# Altium PCB Stabiliser.PCBDOC (part 8 of 8)
Units mm, origin at the board's own origin, x right, y up, seen from the top; angles counter-clockwise.
Board outline 162.48 x 100 mm, 4 copper layers (Top, GP1(GND), L3, Bot), stack 1.648 mm thick; 687 components, 419 nets, 2139 pads, 1048 vias.
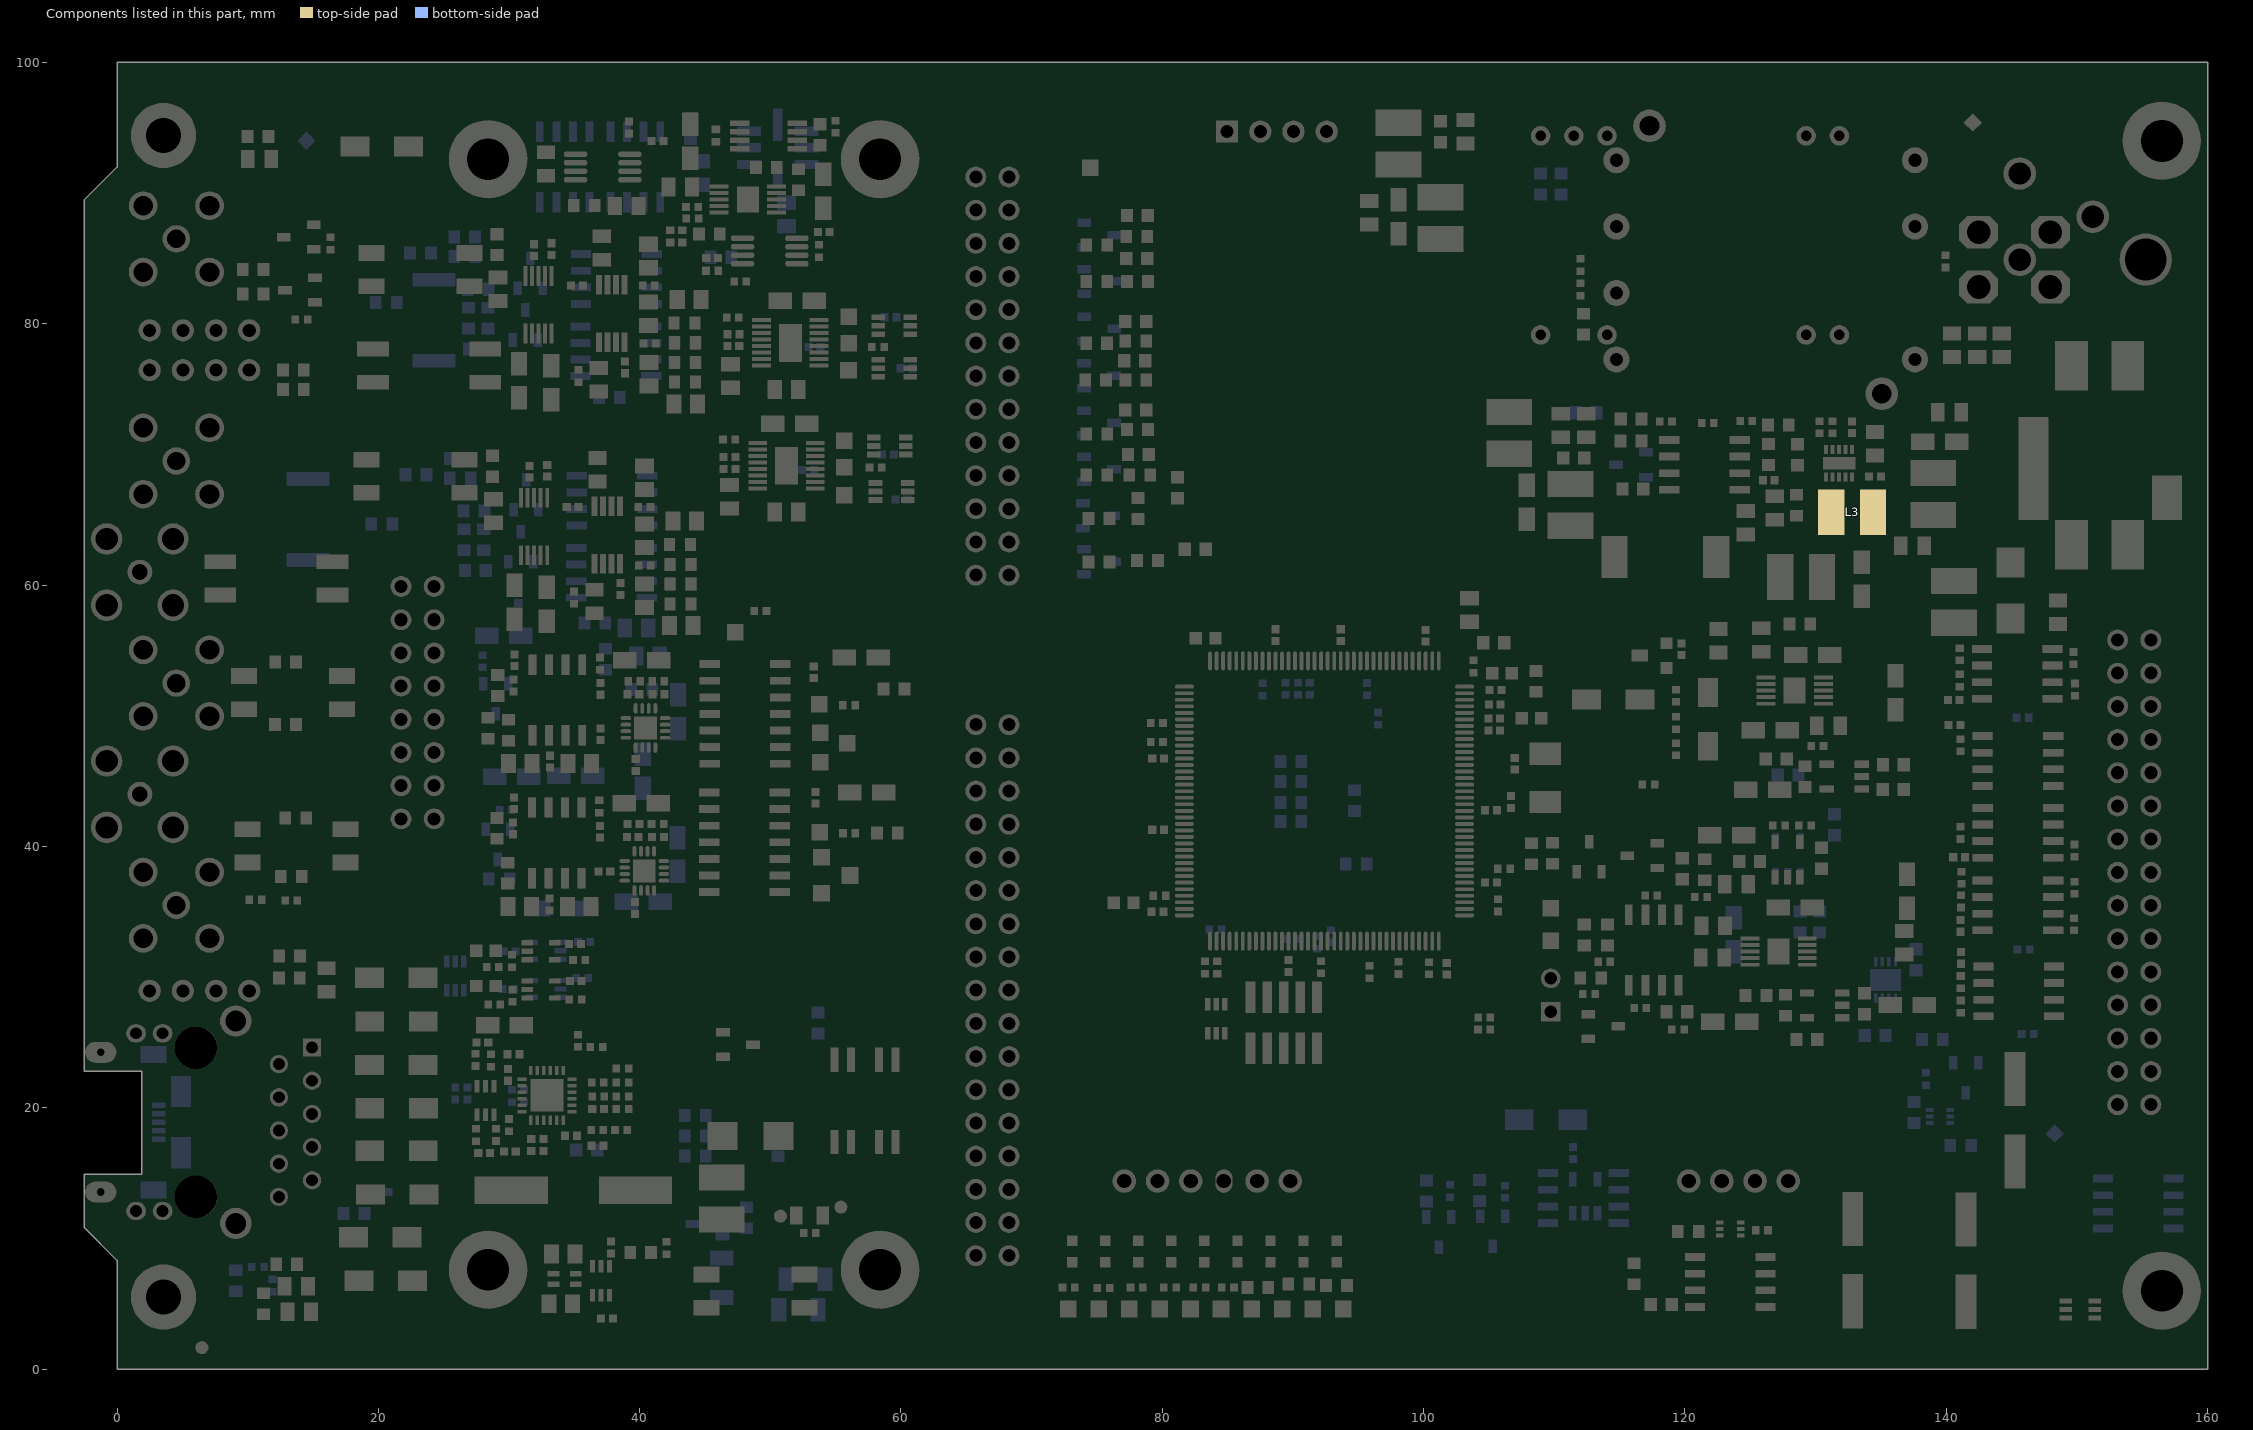
[diagram p10: the components of this part, seen from the top]

## Other copper
Top:
  rectangle net N13V0: 133.436,29.144 135.857,30.277
  rectangle net P5V0A: 121.895,32.288 122.576,32.948
  rectangle net P12V0F: 145.144,83.016 145.466,84.06
  rectangle net P12V0F: 145.051,85.512 145.466,86.943
  rectangle net P12V0F: 143.873,84.9 145.466,85.512
  rectangle net P6V0: 132.8,67.678 133.269,68.278
  rectangle net GND: 60.847,66.96 61.289,67.383
  rectangle net GND: 143.341,55.996 146.559,58.917
  rectangle net P12V0: 143.54,60.112 146.371,63.192
  rectangle net LVDS5_P: 149.233,34.214 149.732,34.72
  rectangle net LVDS0_P: 148.692,53.63 149.123,54.158
  rectangle net LVDS0_P: 149.123,53.785 149.657,54.158
  rectangle net LVDS0_N: 148.768,54.683 149.606,55.123
  rectangle net LVDS4_P: 148.658,36.12 149.631,36.576
  rectangle net LVDS4_N: 148.717,37.16 149.708,37.561
  rectangle net GND: 41.91,75.236 42.668,75.534
  rectangle net P3V3A: 128.245,38.532 129.642,39.294
  rectangle net GND: 131.8,69.128 135.255,69.621
  region net NetC10_1: 10.156,92.009 10.156,94.412 9.652,94.412 9.652,92.009
  rectangle net NetC10_1: 5.496,94.121 9.995,94.625
  rectangle net NetC11_1: 4.35,5.259 8.525,5.9
  rectangle net GND: 123.992,38.646 124.542,39.071
  region net P6V0: 132.95,67.828 132.95,67.964 132.657,67.964 132.657,67.828
  region net P6V0: 131.95,67.853 131.95,68.003 131.65,68.003 131.65,67.853
L3:
  rectangle net P3V3A: 128.286,38.583 129.592,39.319
  pour cut-out: -2.21,22.987 1.514,22.987 1.753,22.748 1.753,14.834 1.491,14.572 -2.128,14.572 -2.211,14.655
Bot:
  rectangle net NetIC9_59: 90.202,52.489 90.516,53.086
GP1(GND) (plane layer: these items are gaps in the copper):
  rectangle: 82.174,12.776 91.389,16.114

## Silkscreen, mask and mechanical layers (free items; w line width, h text height)
TopOverlay:
  drawing of 1263 lines, arcs and shapes, not listed
  text "UART3" at 86.16,94.691 h1
  text "+12V" at 139.548,91.18 h1.02
  text "TX" at 90.803,90.071 h1 r90
  text "RX" at 88.194,90.024 h1 r90
  text "GND" at 93.14,89.385 h1 r90
  text "3V3" at 85.749,89.055 h1 r90
  text "GND" at 72.847,87.554 h1
  text "SCK" at 56.45,85.649 h1
  text "SDO" at 56.45,84.169 h1
  text "ADC0" at 61.57,82.805 h1 r90
  text "CNV" at 57.031,82.715 h1
  text "ON" at 25.792,71.679 h1
  text "TERM0" at 17.881,71.58 h1
  text "ON" at 15.432,64.5 h1
  text "WUT ISE 2022" at 87.427,64.278 h1.02
  text "SCK" at 52.792,63.612 h1
  text "CPU ADC/ DAC header" at 72.804,62.873 h1 r90
  text "SDO" at 52.792,62.132 h1
  text "ADC1" at 57.379,60.757 h1 r90
  text "CNV" at 52.792,60.652 h1
  text "Stabilizer v1.3.3" at 80.8,59.896 h2.03
  text "CLRn" at 48.5,56.174 h1
  text "TERM1" at 10,55.474 h1
  text "LDAC" at 53.795,51.925 h1
  text "EEM" at 152.603,49.403 h1.52
  text "DIN" at 54.899,48.979 h1
  text "DAC0" at 44.055,47.898 h1 r90
  text "CLK" at 57.198,47.232 h1
  text "CSn" at 55.262,45.223 h1
  text "LDAC" at 54.965,41.556 h1
  text "DIN" at 54.854,38.882 h1
  text "CLK" at 57.175,36.906 h1
  text "DAC1" at 43.934,36.297 h1 r90
  text "CSn" at 54.965,35.1 h1
  text "ADC/DAC header" at 19.229,33.659 h1
  text "SCL" at 105.4,33.025 h1
  text "SDA" at 105.359,31.625 h1
  text "BOOT" at 109.814,26.518 h1 r90
  text "CPU JTAG" at 93.701,24.816 h1
  text "CPU GPIO header" at 73.247,24.536 h1 r90
  text "1" at 84.531,23.876 h1
  text "JTAG debuggers conflict with SPI3_NSS and must leave TDI Hi-Z" at 81.109,22.784 h0.76 r90
  text "EEM Downstream" at 149.258,11.557 h1
  text "/ Upstream" at 149.359,9.451 h1
  text "7V" at 85.242,7.696 h1 r90
  text "2V5" at 92.859,7.366 h1 r90
  text "N12V" at 75.024,6.96 h1 r90
  text "P12V" at 77.584,6.96 h1 r90
  text "P5VA" at 82.704,6.96 h1 r90
  text "P6VA" at 87.824,6.96 h1 r90
  text "3V3A" at 90.384,6.96 h1 r90
  text "P12VA" at 80.119,6.611 h1 r90
  text "3V3 MP" at 96.284,5.532 h1 r90
  text "N12V" at 70.629,2.159 h1
  text "P12VA" at 74.981,2.134 h1
  text "3V3" at 85.166,2.134 h1
  text "3V3MP" at 88.9,2.134 h1
  text "7V" at 80.709,2.108 h1
  text "GND" at 92.405,0.813 h1
  text "P12V" at 73.101,0.787 h1
  text "2V5A" at 86.944,0.737 h1
  text "P5VA" at 77.826,0.66 h1
  text "P6VA" at 82.375,0.66 h1
BottomOverlay:
  drawing of 1241 lines, arcs and shapes, not listed
  text "Stabilizer v1.3.3" at 111.55,65.05 h2.03
  text "WUT ISE 2022" at 98.783,61.595 h1.02
BottomSolder:
  rectangle: 32.029,20.041 33.767,21.793
Mechanical1:
  lines w0.1: -2.489,10.809 0,8.32 0,0 159.995,0 159.995,100 0,100 0,92 -1,91 -2.489,89.511 -2.489,22.8 1.88,22.8 1.88,14.9 -1.616,14.9 -2.489,14.9 -2.489,10.82
Mechanical4:
  lines w0.1: -2.6,-14.238 -2.6,117.232
  lines w0.254: -14.6,13.503 -14.6,94.909
  lines w0.3: 0.482,44 1.75,44 ; 0.482,61 1.75,61 ; 0.914,79.4 1.014,79.5 2.5,79.5 ; 1.232,28.95 2.5,28.95 ; 1.232,35.5 2.5,35.5 ; 1.232,52.5 2.5,52.5 ; 1.232,69.5 2.5,69.5 ; 1.232,76.5 2.5,76.5 3.759,76.5 ; 1.232,86.5 2.5,86.5 ; 1.739,45.562 1.75,45.551 1.75,44 ; 1.739,62.562 1.75,62.551 1.75,61 ; 1.75,42.652 1.75,44 ; 1.75,59.652 1.75,61 ; 2.288,5.512 3.556,5.512 ; 2.464,74.854 2.5,74.89 2.5,79.5 ; 2.489,30.512 2.5,30.501 2.5,28.95 ; 2.489,37.062 2.5,37.051 2.5,35.5 ; 2.489,54.062 2.5,54.051 2.5,52.5 ; 2.489,71.062 2.5,71.051 2.5,69.5 ; 2.489,88.062 2.5,88.051 2.5,86.5 ; 2.5,27.602 2.5,28.95 ; 2.5,34.152 2.5,35.5 ; 2.5,51.152 2.5,52.5 ; 2.5,68.152 2.5,69.5 ; 2.5,81.712 2.5,79.5 ; 2.5,85.152 2.5,86.5 ; 3.545,7.074 3.556,7.063 3.556,5.512 ; 3.556,4.163 3.556,5.512 ; 3.606,44 1.75,44 ; 3.606,61 1.75,61 ; 3.759,79.5 2.5,79.5 ; 4.356,28.95 2.5,28.95 ; 4.356,35.5 2.5,35.5 ; 4.356,52.5 2.5,52.5 ; 4.356,69.5 2.5,69.5 ; 4.356,86.5 2.5,86.5 ; 5.412,5.512 3.556,5.512
DrillDrawing:
  drawing of 295 lines, arcs and shapes, not listed
  text "Layer" at 8.894,137.706 h1.52
  text "Name" at 19.305,137.706 h1.52
  text "Material" at 41.397,137.706 h1.52
  text "Thickness" at 63.235,137.706 h1.52
  text "Constant" at 79.741,137.706 h1.52
  text "Board Layer Stack" at 94.216,137.706 h1.52
  text "TopOverlay" at 19.305,134.658 h1.52
  text "TopSolder" at 19.305,131.61 h1.52
  text "Solder Resist" at 41.397,131.61 h1.52
  text "0,010mm" at 63.235,131.61 h1.52
  text "3.5" at 79.741,131.61 h1.52
  text "1" at 8.894,128.562 h1.52
  text "Top" at 19.305,128.562 h1.52
  text "0,058mm" at 63.235,128.562 h1.52
  text "Dielectric1" at 19.305,125.514 h1.52
  text "FR-4" at 41.397,125.514 h1.52
  text "0,180mm" at 63.235,125.514 h1.52
  text "4.2" at 79.741,125.514 h1.52
  text "2" at 8.894,122.466 h1.52
  text "GP1(GND)" at 19.305,122.466 h1.52
  text "0,036mm" at 63.235,122.466 h1.52
  text "Dielectric 3" at 19.305,119.418 h1.52
  text "FR-4" at 41.397,119.418 h1.52
  text "1,100mm" at 63.235,119.418 h1.52
  text "4.2" at 79.741,119.418 h1.52
  text "3" at 8.894,116.37 h1.52
  text "L3" at 19.305,116.37 h1.52
  text "0,036mm" at 63.235,116.37 h1.52
  text "Dielectric2" at 19.305,113.322 h1.52
  text "FR-4" at 41.397,113.322 h1.52
  text "0,180mm" at 63.235,113.322 h1.52
  text "4.2" at 79.741,113.322 h1.52
  text "4" at 8.894,110.274 h1.52
  text "Bot" at 19.305,110.274 h1.52
  text "0,058mm" at 63.235,110.274 h1.52
  text "BottomSolder" at 19.305,107.226 h1.52
  text "Solder Resist" at 41.397,107.226 h1.52
  text "0,010mm" at 63.235,107.226 h1.52
  text "3.5" at 79.741,107.226 h1.52
  text "BottomOverlay" at 19.305,104.178 h1.52

## Text inside footprints (layer, text, board x,y; h text height)
IC17: TopOverlay "1" at 74.98,13.841 h1.2; Mechanical14 "1" at 74.98,13.841 h1.2
IC47: TopOverlay "2" at 132.217,92.987 h1.2 r180; TopOverlay "11" at 109.539,92.987 h1.2 r180; TopOverlay "14" at 109.825,81.747 h1.2 r180; TopOverlay "23" at 132.751,81.747 h1.2 r180
J3: TopOverlay "34" at 69.667,9.315 h1.02 r270; Mechanical14 "34" at 69.667,9.315 h1.02 r270
J4: TopOverlay "16" at 25.667,42.745 h1.02 r270; Mechanical14 "16" at 25.667,42.745 h1.02 r270
J12: TopOverlay "30" at 157.051,20.873 h1.02 r270; Mechanical14 "30" at 157.051,20.873 h1.02 r270
J13: TopOverlay "26" at 64.333,90.605 h1.02 r90; Mechanical14 "26" at 64.333,90.605 h1.02 r90
SW1A: TopOverlay "1" at 18.021,79.303 h1; Mechanical14 "1" at 18.022,79.308 h1
SW1B: TopOverlay "1" at 6.34,63.018 h1; Mechanical14 "1" at 6.341,63.023 h1